# Altium PCB usb_can_8.PcbDoc (part 1 of 4)
Units mil, origin at the board's own origin, x right, y up, seen from the top; angles counter-clockwise.
Board outline 3730 x 3762.41 mil, 2 copper layers (Top Layer, Bottom Layer); 368 components, 37 nets, 1564 pads, 1600 vias.
Unrouted connection lines stored in the file: 259.
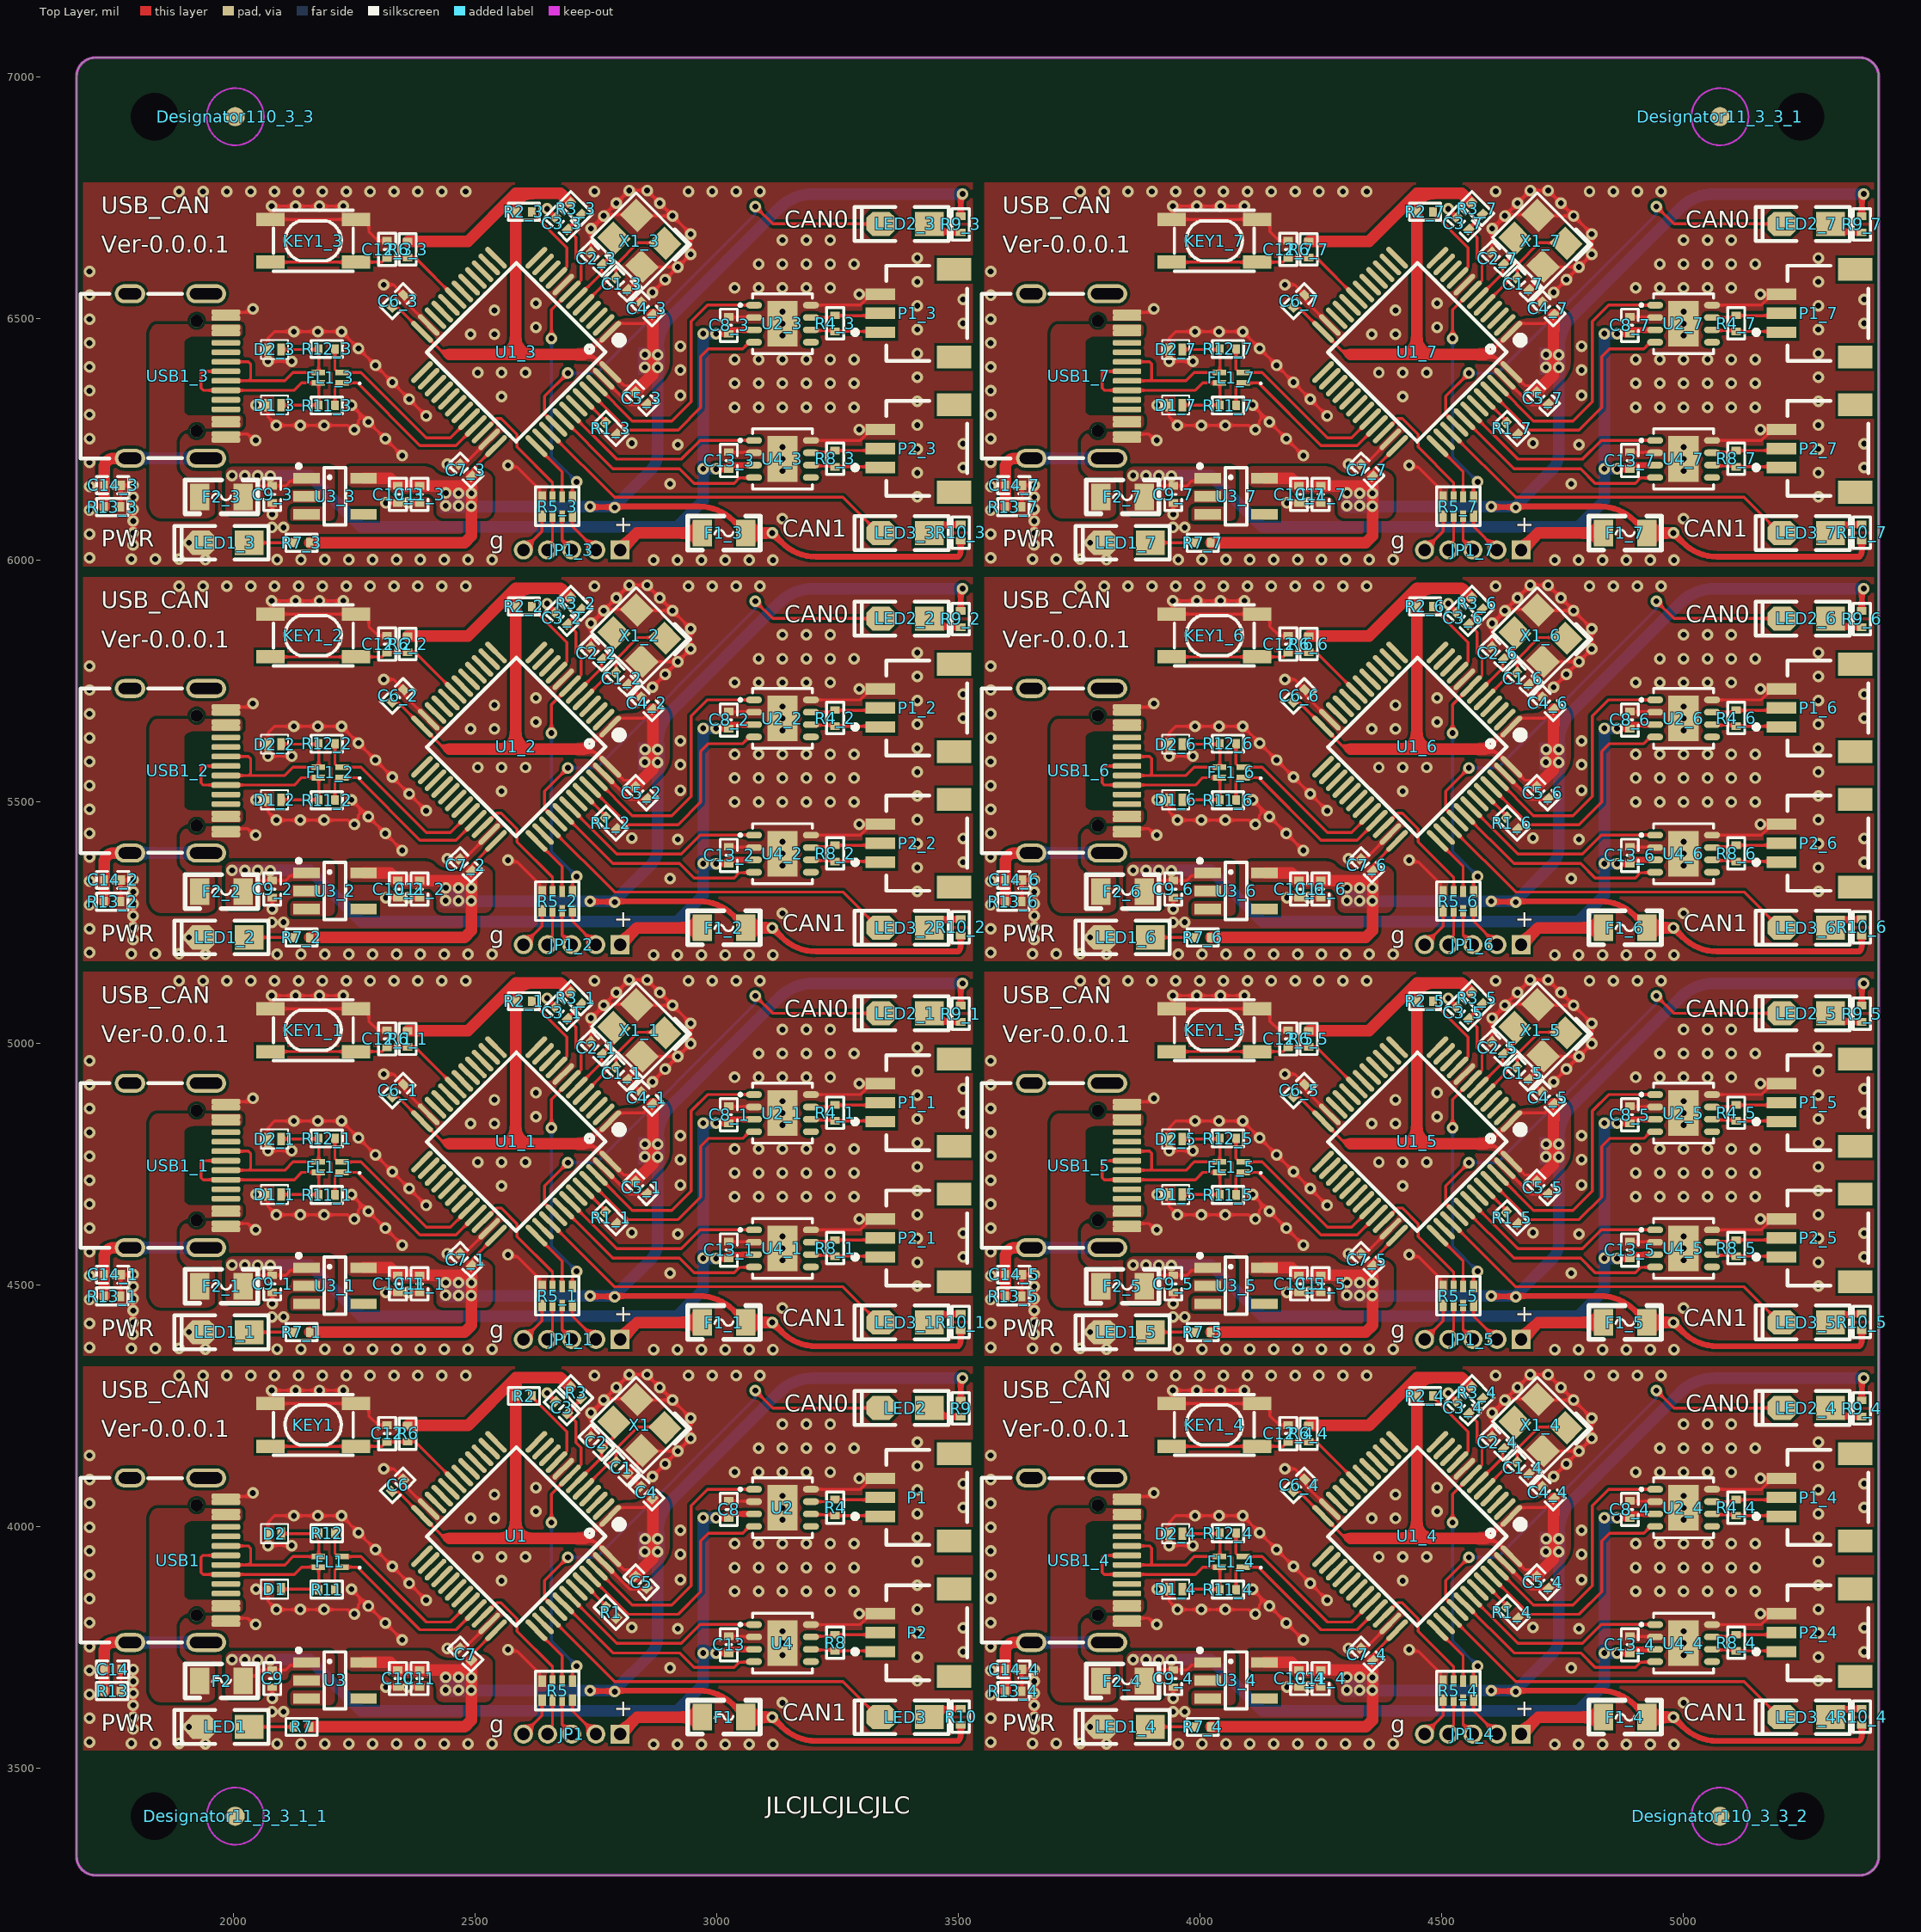
[diagram p0: Top Layer view]
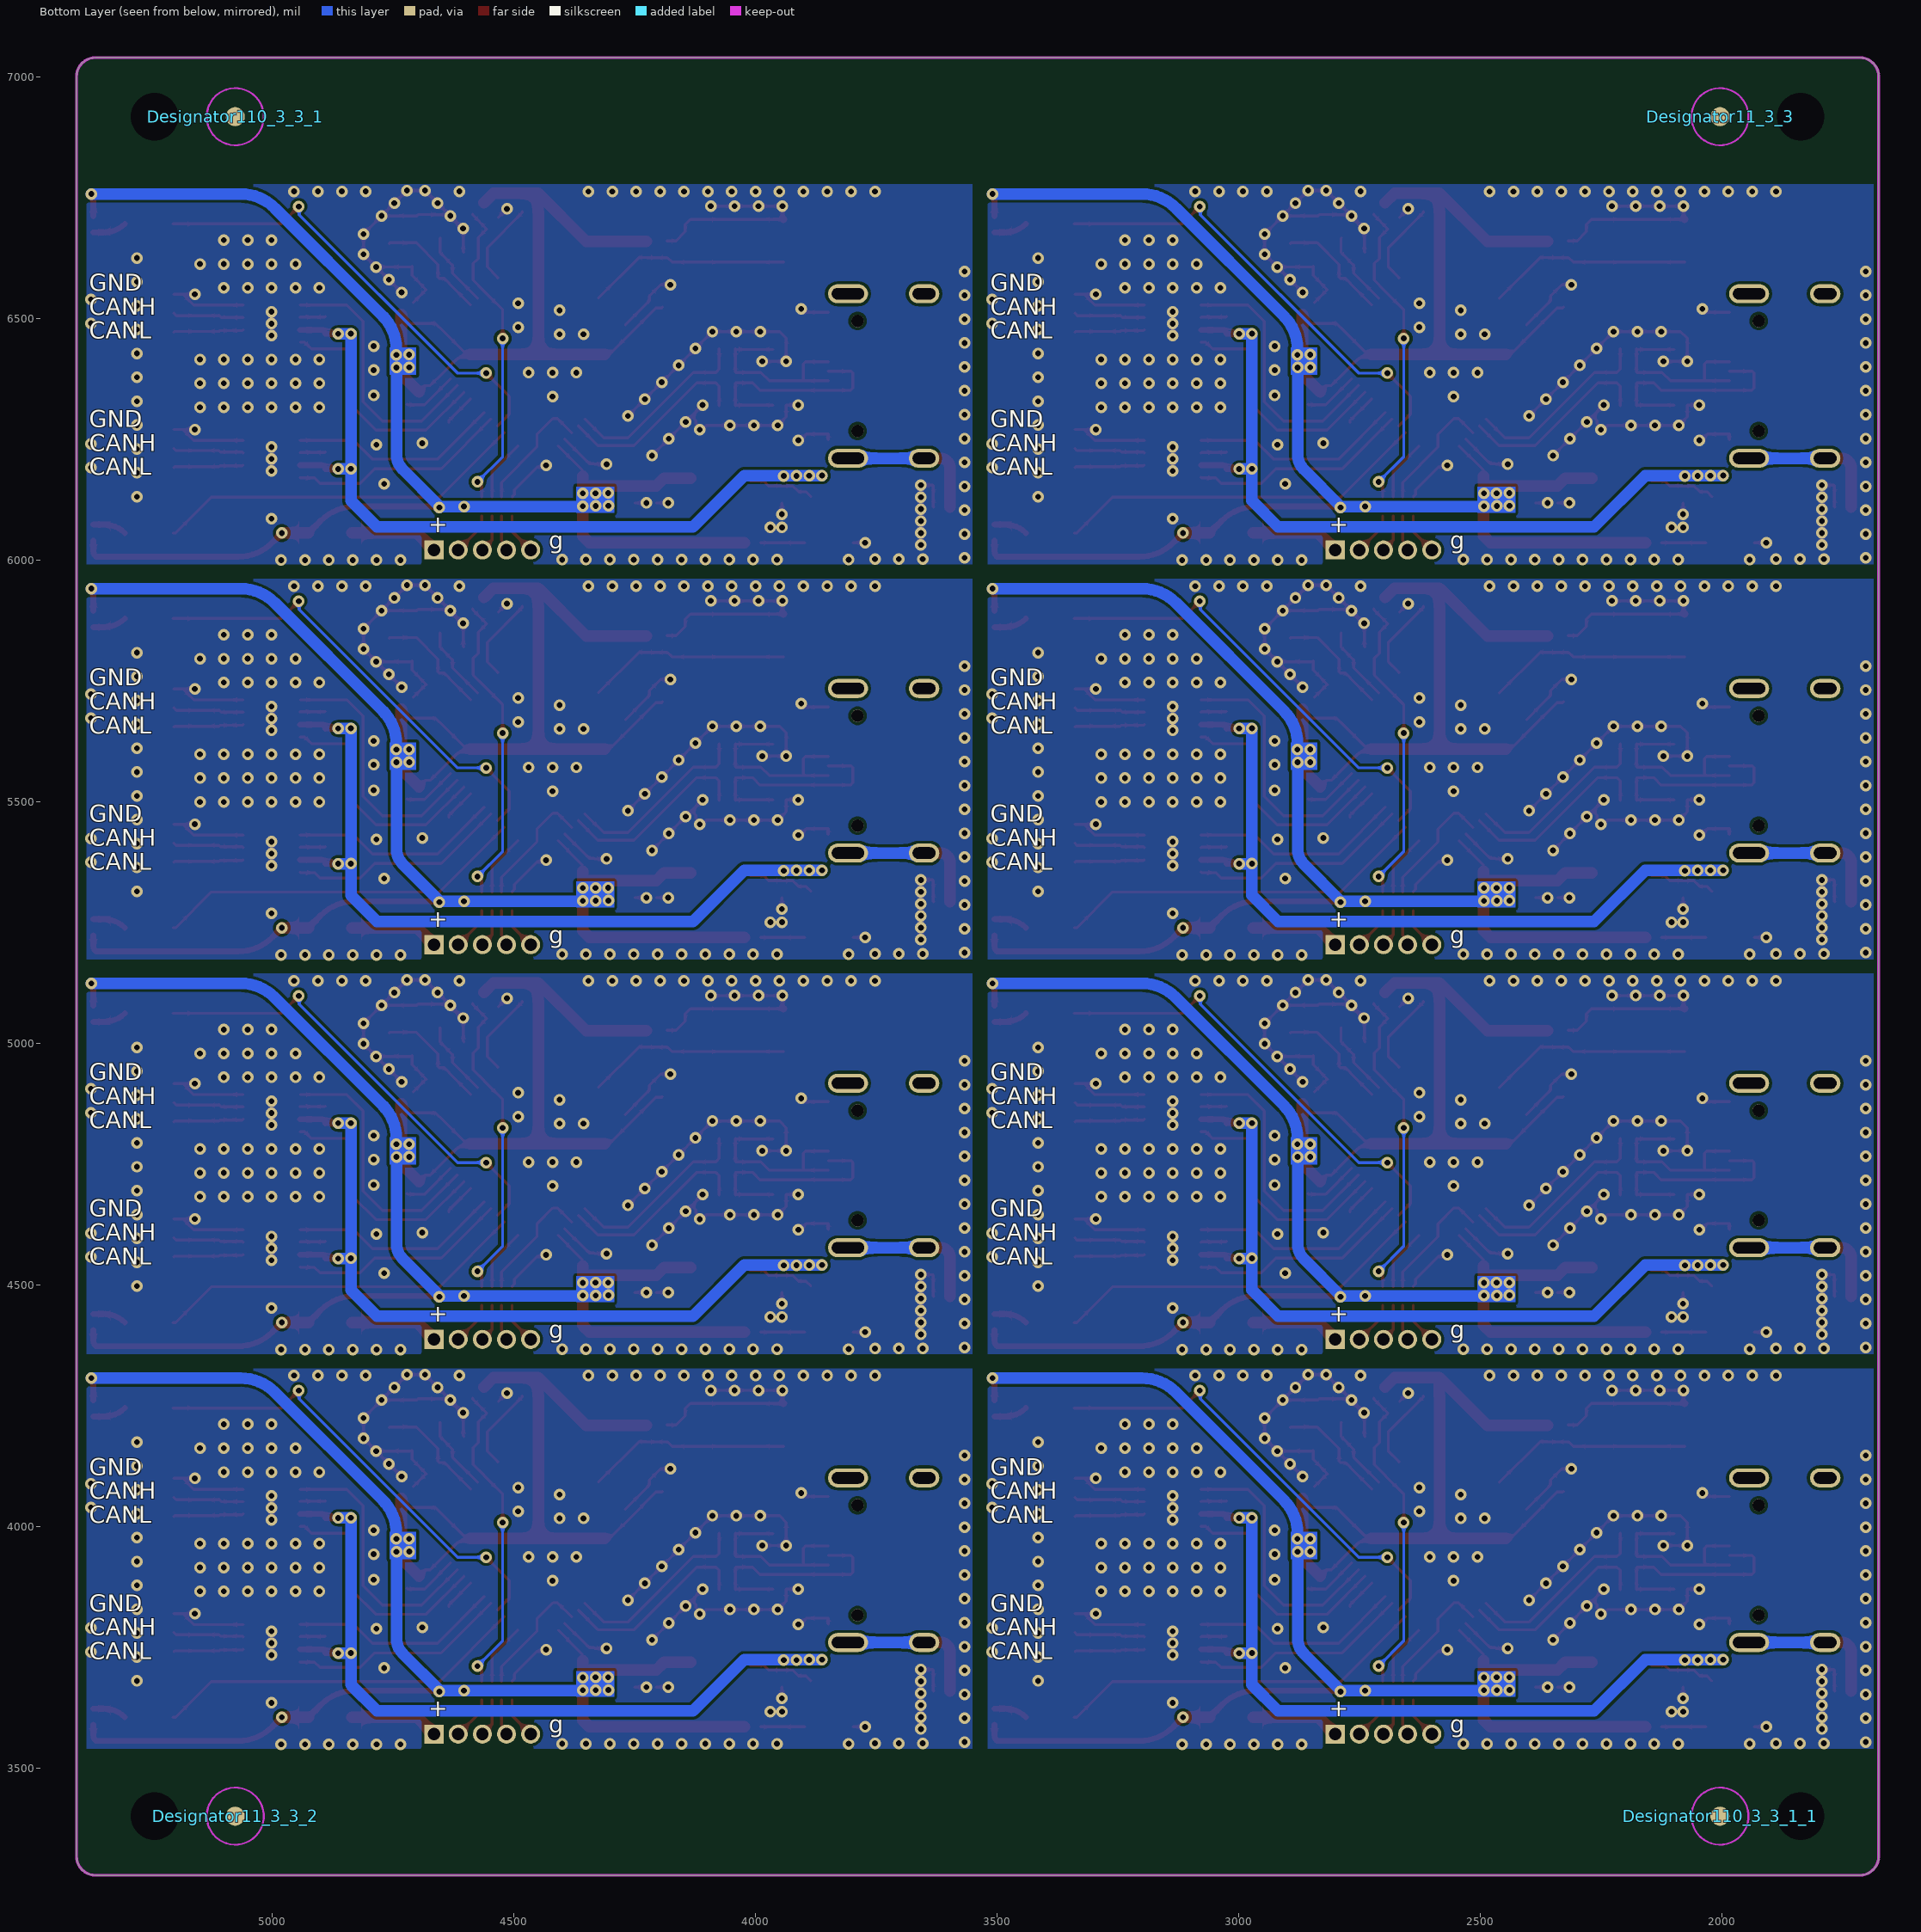
[diagram p1: Bottom Layer view, seen from below]
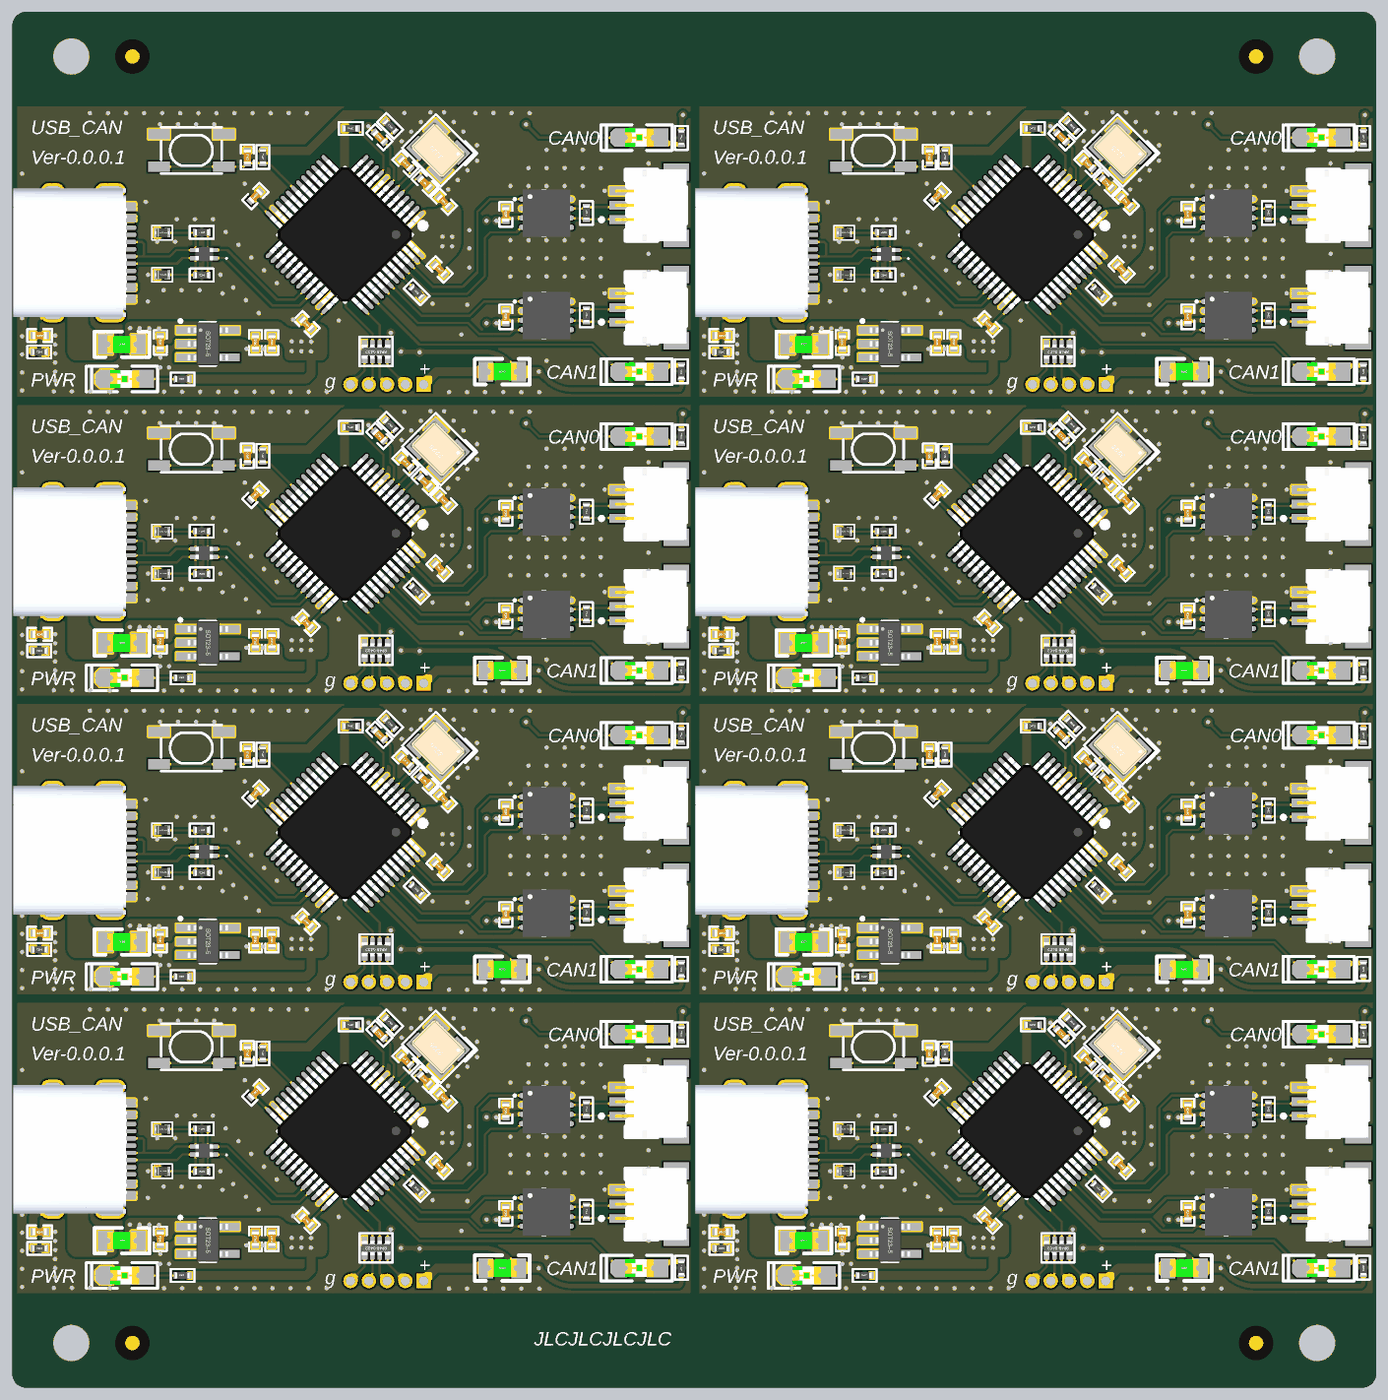
[diagram p5: 3D render of the assembled board from above, using the file's embedded part models]

## Layer stack, top to bottom
Top Solder: solder mask 0.4, Solder Resist, Dk 3.5
Top Layer: signal copper 1.4
Dielectric 1: dielectric 12.6, FR-4, Dk 4.8
Bottom Layer: signal copper 1.4
Bottom Solder: solder mask 0.4, Solder Resist, Dk 3.5

## Board outline
1675,7000.83 cw(c1714.37,7000.83) 1714.37,7040.2 5365.63,7040.2 cw(c5365.63,7000.83) 5405,7000.83 5405,3317.17 cw(c5365.63,3317.17) 5365.63,3277.8 1714.37,3277.8 cw(c1714.37,3317.17) 1675,3317.17

## Design rules (kind name [scope] priority, off if disabled: settings)
BoardOutlineClearance [All] p1: gap=10 ignorepadtopadclearanceinfootprint=FALSE except(0: Arc-SplitContinuation Track-SplitContinuation SMDPad-SplitContinuation THPad-SplitContinuation Via-SplitContinuation Fill-SplitContinuation Poly-SplitContinuation Region-SplitContinuation Text-SplitContinuation)
Clearance [All] p1: gap=6 ignorepadtopadclearanceinfootprint=TRUE except(0: Arc-Hole Track-Hole SMDPad-Hole THPad-Hole Via-Hole Fill-Hole Poly-Hole Region-Hole Text-Hole)
DiffPairsRouting [All] p1: maxlimit=10 minlimit=10 mostfreqgap=10 toplayer_minwidth=6 toplayer_maxwidth=15 toplayer_prefwidth=12 bottomlayer_minwidth=6 bottomlayer_maxwidth=15 bottomlayer_prefwidth=12 maxuncoupledlength=500
PlaneConnect [All] p1: planeconnectstyle=Direct reliefexpansion=20 reliefentries=4 reliefconductorwidth=10 reliefairgap=10
PolygonConnect [All] p1: connectstyle=Direct reliefconductorwidth=10 reliefentries=4 polygonreliefangle="90 Angle" airgapwidth=10
RoutingVias [All] p1: holewidth=12 width=24 viastyle="Through Hole" minholewidth=12 minwidth=24 maxholewidth=24 maxwidth=48
SolderMaskExpansion [All] p1: expansion=4 istentingtop=FALSE
Width [All] p1: maxlimit=100 minlimit=6 preferedwidth=10
28 further rules are at their usual default settings.

## Components (designator, comment, footprint, x,y, rotation, side; value= is the part's Value field where it differs from the comment)
C1 "22pF" "C 0402_L" 2803.1,4121.03 r135 top
C1_1 "22pF" "C 0402_L" 2803.1,4938.03 r135 top (schematic designator C1)
C1_2 "22pF" "C 0402_L" 2803.1,5755.03 r135 top (schematic designator C1)
C1_3 "22pF" "C 0402_L" 2803.1,6572.03 r135 top (schematic designator C1)
C1_4 "22pF" "C 0402_L" 4668.1,4121.03 r135 top (schematic designator C1)
C1_5 "22pF" "C 0402_L" 4668.1,4938.03 r135 top (schematic designator C1)
C1_6 "22pF" "C 0402_L" 4668.1,5755.03 r135 top (schematic designator C1)
C1_7 "22pF" "C 0402_L" 4668.1,6572.03 r135 top (schematic designator C1)
C2 "22pF" "C 0402_L" 2750.61,4173.54 r315 top
C2_1 "22pF" "C 0402_L" 2750.61,4990.54 r315 top (schematic designator C2)
C2_2 "22pF" "C 0402_L" 2750.61,5807.54 r315 top (schematic designator C2)
C2_3 "22pF" "C 0402_L" 2750.61,6624.54 r315 top (schematic designator C2)
C2_4 "22pF" "C 0402_L" 4615.61,4173.54 r315 top (schematic designator C2)
C2_5 "22pF" "C 0402_L" 4615.61,4990.54 r315 top (schematic designator C2)
C2_6 "22pF" "C 0402_L" 4615.61,5807.54 r315 top (schematic designator C2)
C2_7 "22pF" "C 0402_L" 4615.61,6624.54 r315 top (schematic designator C2)
C3 "0.1uF" "C 0402_L" 2679,4246 r135 top
C3_1 "0.1uF" "C 0402_L" 2679,5063 r135 top (schematic designator C3)
C3_2 "0.1uF" "C 0402_L" 2679,5880 r135 top (schematic designator C3)
C3_3 "0.1uF" "C 0402_L" 2679,6697 r135 top (schematic designator C3)
C3_4 "0.1uF" "C 0402_L" 4544,4246 r135 top (schematic designator C3)
C3_5 "0.1uF" "C 0402_L" 4544,5063 r135 top (schematic designator C3)
C3_6 "0.1uF" "C 0402_L" 4544,5880 r135 top (schematic designator C3)
C3_7 "0.1uF" "C 0402_L" 4544,6697 r135 top (schematic designator C3)
C4 "0.1uF" "C 0402_L" 2855,4070 r135 top
C4_1 "0.1uF" "C 0402_L" 2855,4887 r135 top (schematic designator C4)
C4_2 "0.1uF" "C 0402_L" 2855,5704 r135 top (schematic designator C4)
C4_3 "0.1uF" "C 0402_L" 2855,6521 r135 top (schematic designator C4)
C4_4 "0.1uF" "C 0402_L" 4720,4070 r135 top (schematic designator C4)
C4_5 "0.1uF" "C 0402_L" 4720,4887 r135 top (schematic designator C4)
C4_6 "0.1uF" "C 0402_L" 4720,5704 r135 top (schematic designator C4)
C4_7 "0.1uF" "C 0402_L" 4720,6521 r135 top (schematic designator C4)
C5 "0.1uF" "C 0402_L" 2843.62,3884.31 r315 top
C5_1 "0.1uF" "C 0402_L" 2843.62,4701.31 r315 top (schematic designator C5)
C5_2 "0.1uF" "C 0402_L" 2843.62,5518.31 r315 top (schematic designator C5)
C5_3 "0.1uF" "C 0402_L" 2843.62,6335.31 r315 top (schematic designator C5)
C5_4 "0.1uF" "C 0402_L" 4708.62,3884.31 r315 top (schematic designator C5)
C5_5 "0.1uF" "C 0402_L" 4708.62,4701.31 r315 top (schematic designator C5)
C5_6 "0.1uF" "C 0402_L" 4708.62,5518.31 r315 top (schematic designator C5)
C5_7 "0.1uF" "C 0402_L" 4708.62,6335.31 r315 top (schematic designator C5)
C6 "0.1uF" "C 0402_L" 2340,4085 r45 top
C6_1 "0.1uF" "C 0402_L" 2340,4902 r45 top (schematic designator C6)
C6_2 "0.1uF" "C 0402_L" 2340,5719 r45 top (schematic designator C6)
C6_3 "0.1uF" "C 0402_L" 2340,6536 r45 top (schematic designator C6)
C6_4 "0.1uF" "C 0402_L" 4205,4085 r45 top (schematic designator C6)
C6_5 "0.1uF" "C 0402_L" 4205,4902 r45 top (schematic designator C6)
C6_6 "0.1uF" "C 0402_L" 4205,5719 r45 top (schematic designator C6)
C6_7 "0.1uF" "C 0402_L" 4205,6536 r45 top (schematic designator C6)
C7 "0.1uF" "C 0402_L" 2480,3735 r135 top
C7_1 "0.1uF" "C 0402_L" 2480,4552 r135 top (schematic designator C7)
C7_2 "0.1uF" "C 0402_L" 2480,5369 r135 top (schematic designator C7)
C7_3 "0.1uF" "C 0402_L" 2480,6186 r135 top (schematic designator C7)
C7_4 "0.1uF" "C 0402_L" 4345,3735 r135 top (schematic designator C7)
C7_5 "0.1uF" "C 0402_L" 4345,4552 r135 top (schematic designator C7)
C7_6 "0.1uF" "C 0402_L" 4345,5369 r135 top (schematic designator C7)
C7_7 "0.1uF" "C 0402_L" 4345,6186 r135 top (schematic designator C7)
C8 "2.2uF" "C 0402_L" 3025,4035 r90 top
C8_1 "2.2uF" "C 0402_L" 3025,4852 r90 top (schematic designator C8)
C8_2 "2.2uF" "C 0402_L" 3025,5669 r90 top (schematic designator C8)
C8_3 "2.2uF" "C 0402_L" 3025,6486 r90 top (schematic designator C8)
C8_4 "2.2uF" "C 0402_L" 4890,4035 r90 top (schematic designator C8)
C8_5 "2.2uF" "C 0402_L" 4890,4852 r90 top (schematic designator C8)
C8_6 "2.2uF" "C 0402_L" 4890,5669 r90 top (schematic designator C8)
C8_7 "2.2uF" "C 0402_L" 4890,6486 r90 top (schematic designator C8)
C9 "2.2uF" "C 0402_L" 2080,3685 r90 top
C9_1 "2.2uF" "C 0402_L" 2080,4502 r90 top (schematic designator C9)
C9_2 "2.2uF" "C 0402_L" 2080,5319 r90 top (schematic designator C9)
C9_3 "2.2uF" "C 0402_L" 2080,6136 r90 top (schematic designator C9)
C9_4 "2.2uF" "C 0402_L" 3945,3685 r90 top (schematic designator C9)
C9_5 "2.2uF" "C 0402_L" 3945,4502 r90 top (schematic designator C9)
C9_6 "2.2uF" "C 0402_L" 3945,5319 r90 top (schematic designator C9)
C9_7 "2.2uF" "C 0402_L" 3945,6136 r90 top (schematic designator C9)
C10 "2.2uF" "C 0402_L" 2340,3685 r90 top
C10_1 "2.2uF" "C 0402_L" 2340,4502 r90 top (schematic designator C10)
C10_2 "2.2uF" "C 0402_L" 2340,5319 r90 top (schematic designator C10)
C10_3 "2.2uF" "C 0402_L" 2340,6136 r90 top (schematic designator C10)
C10_4 "2.2uF" "C 0402_L" 4205,3685 r90 top (schematic designator C10)
C10_5 "2.2uF" "C 0402_L" 4205,4502 r90 top (schematic designator C10)
C10_6 "2.2uF" "C 0402_L" 4205,5319 r90 top (schematic designator C10)
C10_7 "2.2uF" "C 0402_L" 4205,6136 r90 top (schematic designator C10)
C11 "0.1uF" "C 0402_L" 2385,3685 r90 top
C11_1 "0.1uF" "C 0402_L" 2385,4502 r90 top (schematic designator C11)
C11_2 "0.1uF" "C 0402_L" 2385,5319 r90 top (schematic designator C11)
C11_3 "0.1uF" "C 0402_L" 2385,6136 r90 top (schematic designator C11)
C11_4 "0.1uF" "C 0402_L" 4250,3685 r90 top (schematic designator C11)
C11_5 "0.1uF" "C 0402_L" 4250,4502 r90 top (schematic designator C11)
C11_6 "0.1uF" "C 0402_L" 4250,5319 r90 top (schematic designator C11)
C11_7 "0.1uF" "C 0402_L" 4250,6136 r90 top (schematic designator C11)
C12 "0.1uF" "C 0402_L" 2317.93,4192.07 r270 top
C12_1 "0.1uF" "C 0402_L" 2317.93,5009.07 r270 top (schematic designator C12)
C12_2 "0.1uF" "C 0402_L" 2317.93,5826.07 r270 top (schematic designator C12)
C12_3 "0.1uF" "C 0402_L" 2317.93,6643.07 r270 top (schematic designator C12)
C12_4 "0.1uF" "C 0402_L" 4182.93,4192.07 r270 top (schematic designator C12)
C12_5 "0.1uF" "C 0402_L" 4182.93,5009.07 r270 top (schematic designator C12)
C12_6 "0.1uF" "C 0402_L" 4182.93,5826.07 r270 top (schematic designator C12)
C12_7 "0.1uF" "C 0402_L" 4182.93,6643.07 r270 top (schematic designator C12)
C13 "2.2uF" "C 0402_L" 3025,3755 r90 top
C13_1 "2.2uF" "C 0402_L" 3025,4572 r90 top (schematic designator C13)
C13_2 "2.2uF" "C 0402_L" 3025,5389 r90 top (schematic designator C13)
C13_3 "2.2uF" "C 0402_L" 3025,6206 r90 top (schematic designator C13)
C13_4 "2.2uF" "C 0402_L" 4890,3755 r90 top (schematic designator C13)
C13_5 "2.2uF" "C 0402_L" 4890,4572 r90 top (schematic designator C13)
C13_6 "2.2uF" "C 0402_L" 4890,5389 r90 top (schematic designator C13)
C13_7 "2.2uF" "C 0402_L" 4890,6206 r90 top (schematic designator C13)
C14 "4700pF" "C 0402_L" 1750,3704 r180 top
C14_1 "4700pF" "C 0402_L" 1750,4521 r180 top (schematic designator C14)
C14_2 "4700pF" "C 0402_L" 1750,5338 r180 top (schematic designator C14)
C14_3 "4700pF" "C 0402_L" 1750,6155 r180 top (schematic designator C14)
C14_4 "4700pF" "C 0402_L" 3615,3704 r180 top (schematic designator C14)
C14_5 "4700pF" "C 0402_L" 3615,4521 r180 top (schematic designator C14)
C14_6 "4700pF" "C 0402_L" 3615,5338 r180 top (schematic designator C14)
C14_7 "4700pF" "C 0402_L" 3615,6155 r180 top (schematic designator C14)
D1 "PESD5V0F1BL,315" SOD-882_L1.0-W0.6-BI 2085,3870 r180 top
D1_1 "PESD5V0F1BL,315" SOD-882_L1.0-W0.6-BI 2085,4687 r180 top (schematic designator D1)
D1_2 "PESD5V0F1BL,315" SOD-882_L1.0-W0.6-BI 2085,5504 r180 top (schematic designator D1)
D1_3 "PESD5V0F1BL,315" SOD-882_L1.0-W0.6-BI 2085,6321 r180 top (schematic designator D1)
D1_4 "PESD5V0F1BL,315" SOD-882_L1.0-W0.6-BI 3950,3870 r180 top (schematic designator D1)
D1_5 "PESD5V0F1BL,315" SOD-882_L1.0-W0.6-BI 3950,4687 r180 top (schematic designator D1)
D1_6 "PESD5V0F1BL,315" SOD-882_L1.0-W0.6-BI 3950,5504 r180 top (schematic designator D1)
D1_7 "PESD5V0F1BL,315" SOD-882_L1.0-W0.6-BI 3950,6321 r180 top (schematic designator D1)
D2 "PESD5V0F1BL,315" SOD-882_L1.0-W0.6-BI 2085,3985 r180 top
D2_1 "PESD5V0F1BL,315" SOD-882_L1.0-W0.6-BI 2085,4802 r180 top (schematic designator D2)
D2_2 "PESD5V0F1BL,315" SOD-882_L1.0-W0.6-BI 2085,5619 r180 top (schematic designator D2)
D2_3 "PESD5V0F1BL,315" SOD-882_L1.0-W0.6-BI 2085,6436 r180 top (schematic designator D2)
D2_4 "PESD5V0F1BL,315" SOD-882_L1.0-W0.6-BI 3950,3985 r180 top (schematic designator D2)
D2_5 "PESD5V0F1BL,315" SOD-882_L1.0-W0.6-BI 3950,4802 r180 top (schematic designator D2)
D2_6 "PESD5V0F1BL,315" SOD-882_L1.0-W0.6-BI 3950,5619 r180 top (schematic designator D2)
D2_7 "PESD5V0F1BL,315" SOD-882_L1.0-W0.6-BI 3950,6436 r180 top (schematic designator D2)
Designator11_3_3 "Comment" "Mark 1" 2003.57,6917.84 r45 bottom
Designator11_3_3_1 "Comment" "Mark 1" 5076.43,6917.84 r135 top
Designator11_3_3_1_1 "Comment" "Mark 1" 2003.57,3400.16 r315 top
Designator11_3_3_2 "Comment" "Mark 1" 5076.43,3400.16 r225 bottom
Designator110_3_3 "Comment" "Mark 1" 2003.57,6917.84 r315 top
Designator110_3_3_1 "Comment" "Mark 1" 5076.43,6917.84 r225 bottom
Designator110_3_3_1_1 "Comment" "Mark 1" 2003.57,3400.16 r45 bottom
Designator110_3_3_2 "Comment" "Mark 1" 5076.43,3400.16 r135 top
F1 "MSMD200-8V 2A" "FU 0805" 3015,3605 r180 top
F1_1 "MSMD200-8V 2A" "FU 0805" 3015,4422 r180 top (schematic designator F1)